# Altium PCB ESC_1.PcbDoc (part 2 of 2)
Units mm, origin at the board's own origin, x right, y up, seen from the top; angles counter-clockwise.
Board outline 99.95 x 98.81 mm, 2 copper layers (Top Layer, Bottom Layer); 164 components, 107 nets, 468 pads, 244 vias.
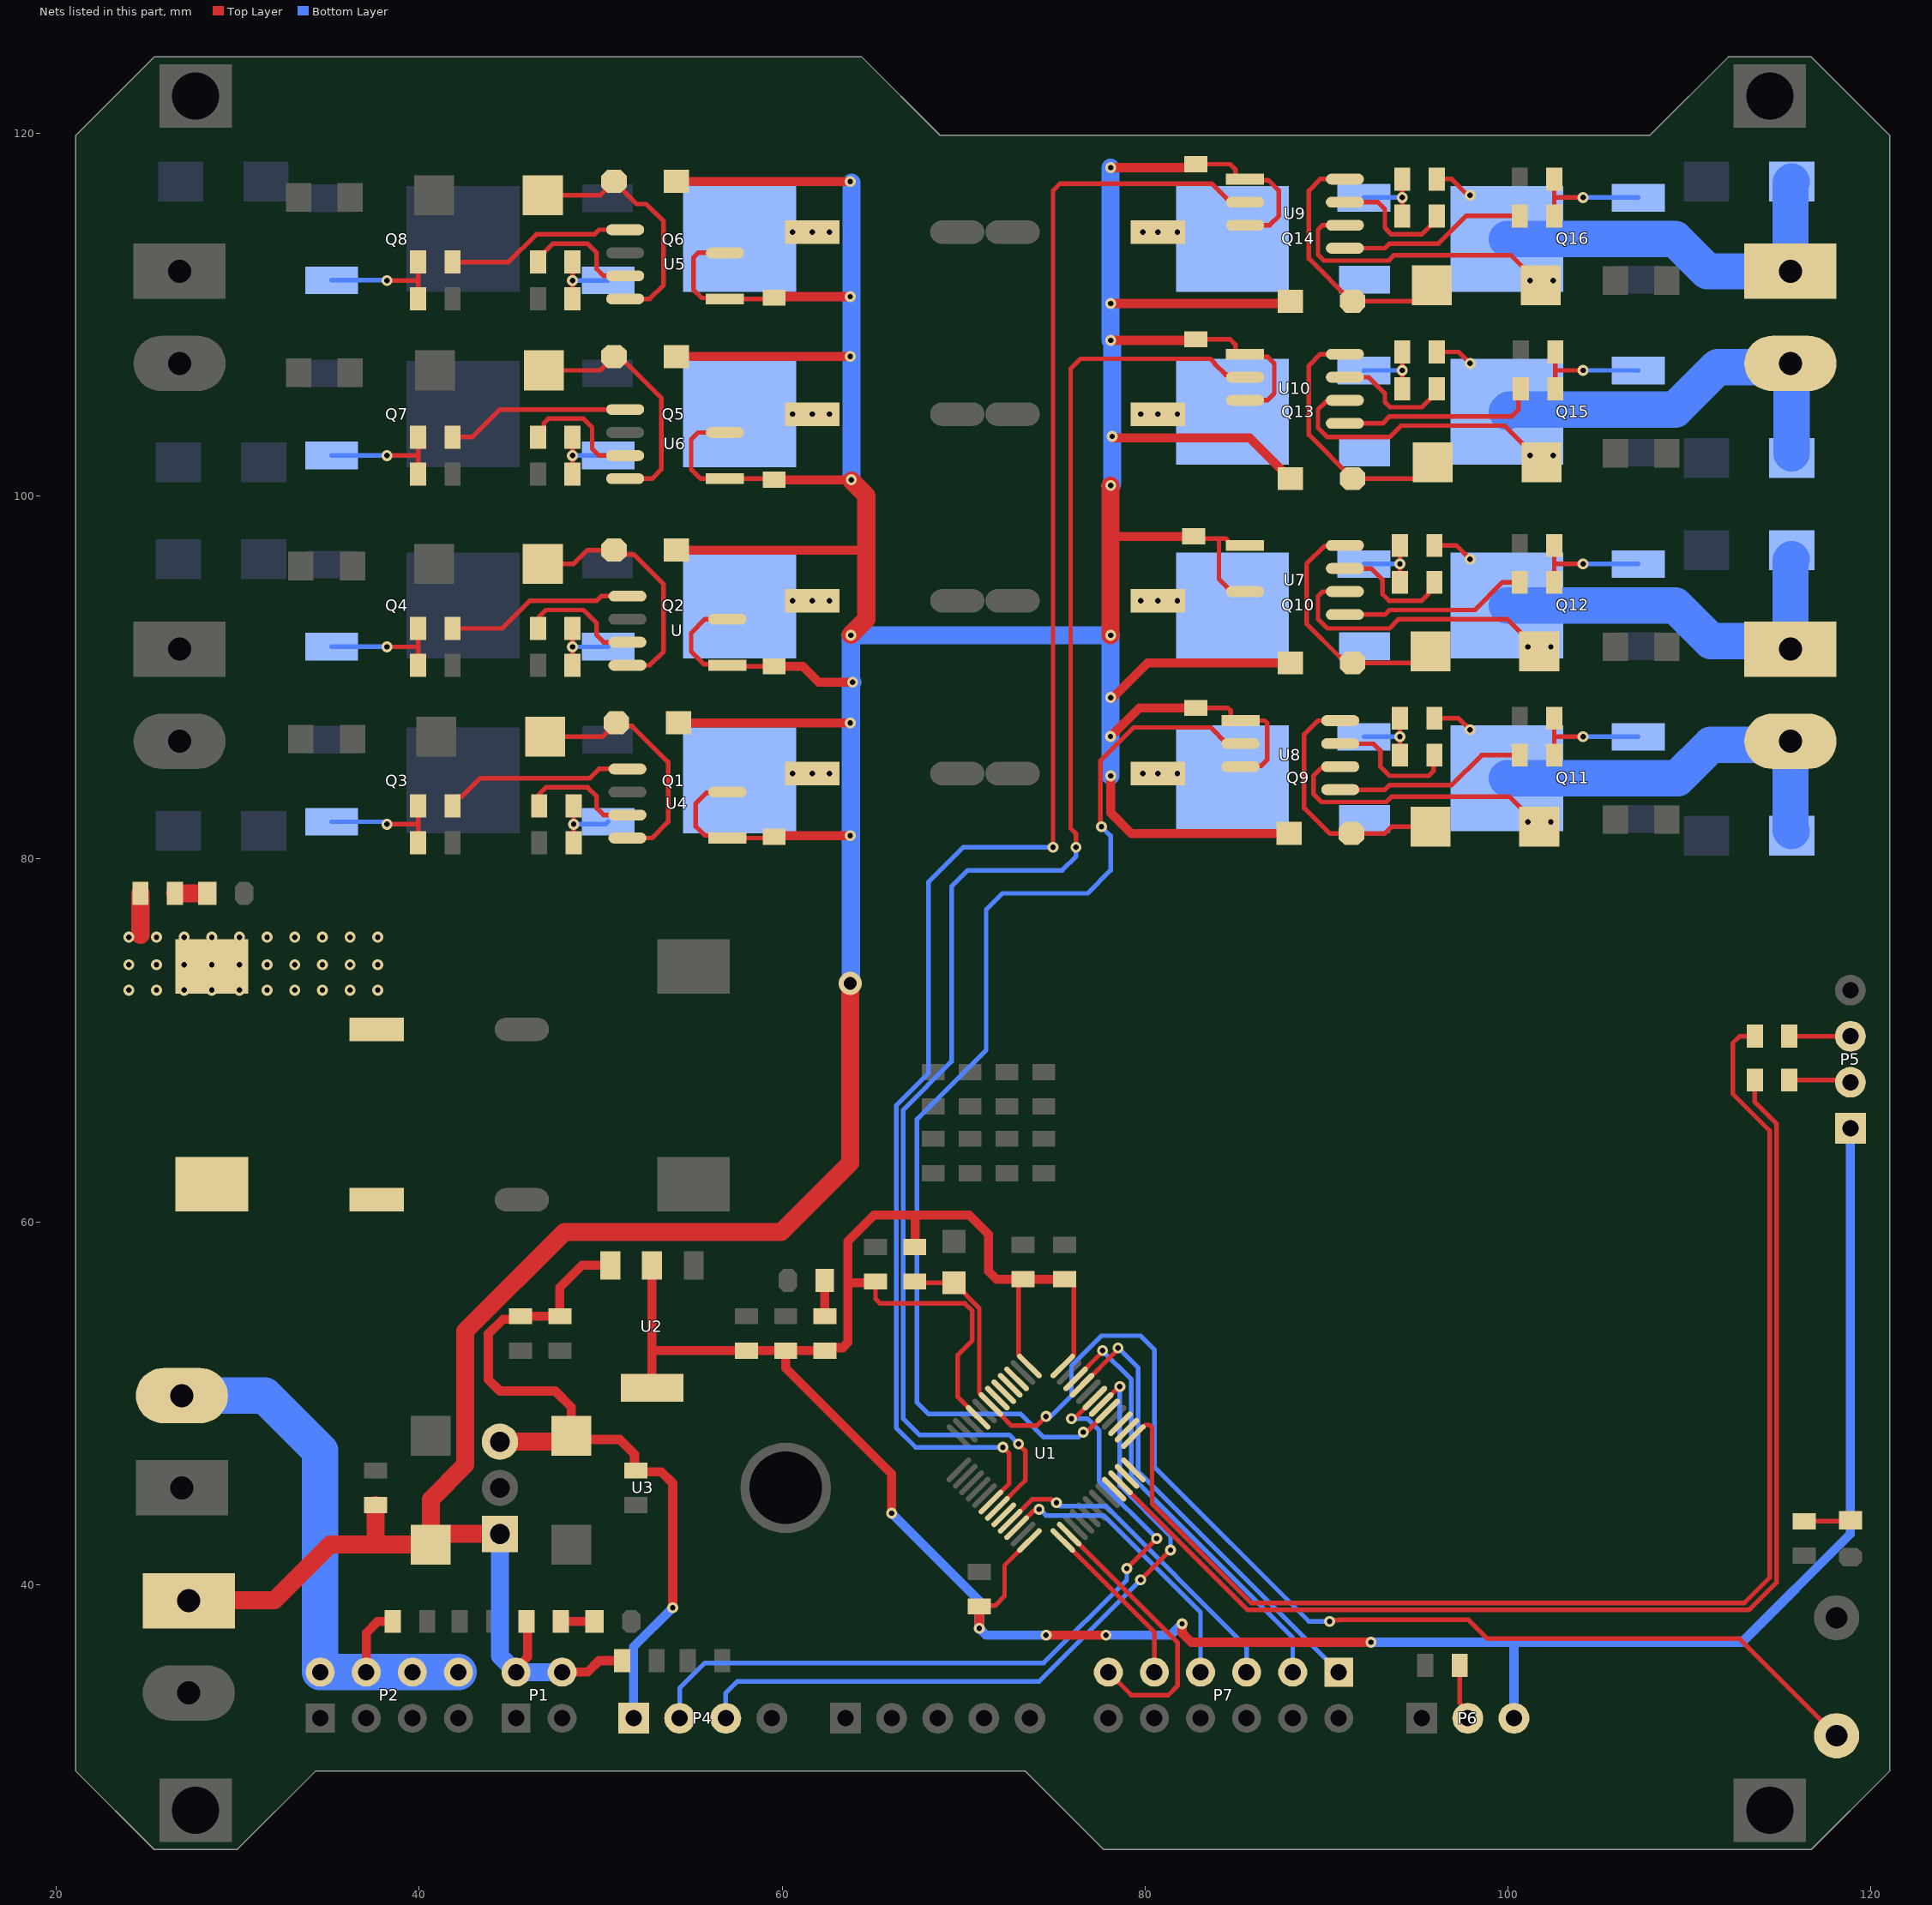
[diagram p2: the nets of this part, all layers, seen from the top]

## Via types
v1: diameter 0.6, hole 0.3, Top Layer to Bottom Layer, tented both sides, 235 vias
v2: diameter 0.6, hole 0.3, Top Layer to Bottom Layer, 8 vias
v3: diameter 1.27, hole 0.711, Top Layer to Bottom Layer, tented both sides, 1 vias

## Nets (pads, with @x,y where several pads share a name; then routed paths per layer and width w, separated by ;. In a path a pad name is that pad's centre, name@x,y a point inside that pad or via, vN(x,y) a via of type N, cw(c..) or ccw(c..) an arc to the next point about the centre after c; other vN are vias at no path point) (continued)
M3_B: U1.41 U8.2 | length 63.5
  Top Layer w0.254: v1(76.592,48.404) 76.658,48.471 76.836,48.471 U1.41@77.943,49.577 ; v1(77.604,81.781) 77.551,81.834 77.551,85.425 79.378,87.252 83.619,87.252 84.511,86.36 U8.2@85.261,86.36
  Bottom Layer w0.254: v1(76.592,48.404) 76.592,48.398 76.327,48.133 74.422,48.133 73.152,49.403 68.072,49.403 67.437,50.038 67.437,65.659 71.247,69.469 71.247,77.216 72.136,78.105 76.835,78.105 78.105,79.375 78.105,81.28 v1(77.604,81.781)
M3_HA: C21.2 D14.2 J3.1 Q10.3 Q12.2 R23.2 U7.6 | length 40.1
  Top Layer w0.254: U7.6@91.015,94.742 89.789,94.742 89.535,94.488 89.535,93.239 90.064,92.71 93.472,92.71 93.98,93.218 99.949,93.218 C21.2@101.727,91.44 ; R23.2@95.946,97.282 97.155,97.282 v2(97.917,96.52)
  Bottom Layer w2: Q12.2@99.94,93.98 109.22,93.98 111.194,92.006 115.131,92.006 J3.1@115.57,91.567 115.57,96.456 D14.2@115.634,96.52
  other v1: 101.092,91.694 102.362,91.694
M3_HB: C22.2 D13.2 J3.2 Q9.3 Q11.2 R24.2 U8.6 | length 39.8
  Top Layer w0.254: U8.6@90.761,85.09 90.695,85.024 89.723,85.024 89.281,84.582 89.281,83.587 89.729,83.139 93.299,83.139 93.599,83.439 100.076,83.439 C22.2@101.727,81.788 ; R24.2@95.946,87.757 97.282,87.757 v2(97.917,87.122)
  Bottom Layer w2: Q11.2@99.94,84.455 109.347,84.455 111.178,86.286 115.369,86.286 J3.2@115.57,86.487 115.57,81.598 D13.2@115.634,81.534
  other v1: 101.092,82.042 102.362,82.042
M4_A: U1.18 U9.2 | length 95.7
  Top Layer w0.254: U1.18@71.508,44.557 72.517,45.566 72.517,47.223 v1(72.165,47.575) ; v1(74.93,80.645) 74.93,116.84 75.314,117.224 83.597,117.224 83.599,117.221 83.693,117.221 84.709,116.205 U9.2@85.515,116.205
  Bottom Layer w0.254: v1(72.165,47.575) 67.36,47.575 66.294,48.641 66.294,66.421 68.072,68.199 68.072,78.74 69.977,80.645 v1(74.93,80.645)
M4_B: U1.19 U10.2 | length 86.5
  Top Layer w0.254: U1.19@71.862,44.203 73.406,45.747 73.406,47.371 v1(73.025,47.752) ; v1(76.2,80.645) 76.2,81.386 75.9,81.686 75.9,107.018 76.454,107.572 83.597,107.572 83.82,107.348 83.82,107.315 84.446,106.689 84.535,106.689 84.671,106.553 U10.2@85.515,106.553
  Bottom Layer w0.254: v1(73.025,47.752) 72.517,48.26 67.564,48.26 66.675,49.149 66.675,66.167 69.342,68.834 69.342,78.486 70.231,79.375 75.438,79.375 76.2,80.137 v1(76.2,80.645)
M4_HA: C25.2 D16.2 J4.1 Q14.3 Q16.2 R33.2 U9.6 | length 39.7
  Top Layer w0.254: U9.6@91.015,114.935 89.789,114.935 89.535,114.681 89.535,113.306 89.857,112.984 93.426,112.984 93.726,113.284 100.155,113.284 C25.2@101.806,111.633 ; R33.2@96.073,117.475 96.901,117.475 97.79,116.586 v2(97.917,116.586)
  Bottom Layer w2: Q16.2@99.94,114.173 109.22,114.173 110.998,112.395 J4.1@115.57,112.395 115.57,117.284 D16.2@115.634,117.348
  other v1: 101.219,111.887 102.489,111.887
M4_HB: C26.2 D15.2 J4.2 Q13.3 Q15.2 R34.2 U10.6 | length 40.2
  Top Layer w0.254: U10.6@91.015,105.283 90.949,105.217 89.977,105.217 89.535,104.775 89.535,103.759 90.043,103.251 93.472,103.251 94.107,103.886 98.806,103.886 99.822,103.886 C26.2@101.854,101.854 ; R34.2@96.073,107.95 97.282,107.95 v2(97.917,107.315)
  Bottom Layer w2: Q15.2@99.94,104.648 100.067,104.775 109.22,104.775 111.559,107.114 115.369,107.114 J4.2@115.57,107.315 115.634,107.251 D15.2@115.634,102.362
  other v1: 101.219,102.235 102.489,102.235
NetC13_1: C13.1 D1.2 U.8 | length 13.8
  Top Layer w0.254: C13.1@46.815,96.266 48.514,96.266 49.276,97.028 D1.2@50.736,97.028 50.978,96.787 51.816,96.787 53.467,95.136 53.467,91.44 52.705,90.678 U.8@51.479,90.678
NetC14_1: C14.1 D2.2 U4.8 | length 13.9
  Top Layer w0.254: C14.1@46.942,86.741 50.102,86.741 D2.2@50.863,87.503 51.038,87.329 51.736,87.329 53.721,85.344 53.721,82.042 52.832,81.153 U4.8@51.479,81.153
NetC17_1: C17.1 D3.2 U5.8 | length 13.8
  Top Layer w0.254: C17.1@46.815,116.586 49.974,116.586 D3.2@50.736,117.348 51.983,116.101 52.511,116.101 53.467,115.145 53.467,111.633 52.705,110.871 U5.8@51.352,110.871
NetC18_1: C18.1 D4.2 U6.8 | length 13.9
  Top Layer w0.254: C18.1@46.863,106.934 49.974,106.934 D4.2@50.736,107.696 51.043,107.696 51.408,107.331 51.419,107.331 53.34,105.41 53.34,101.473 52.832,100.965 U6.8@51.352,100.965
NetC21_1: C21.1 D5.2 U7.8 | length 13.8
  Top Layer w0.254: U7.8@91.015,97.282 90.962,97.229 89.863,97.229 88.9,96.266 88.9,92.964 90.726,91.138 90.8,91.138 91.133,90.805 D5.2@91.44,90.805 95.092,90.805 C21.1@95.727,91.44
NetC22_1: C22.1 D6.2 U8.8 | length 14.4
  Top Layer w0.254: U8.8@90.761,87.63 89.535,87.63 88.773,86.868 88.773,82.804 90.17,81.407 90.752,81.407 91.133,81.026 91.44,81.026 91.821,81.407 93.218,81.407 93.599,81.788 C22.1@95.727,81.788
NetC25_1: C25.1 D7.2 U9.8 | length 14.1
  Top Layer w0.254: U9.8@91.015,117.475 89.662,117.475 89.027,116.84 89.027,113.095 91.378,110.744 D7.2@91.44,110.744 94.917,110.744 C25.1@95.806,111.633
NetC26_1: C26.1 D8.2 U10.8 | length 14.3
  Top Layer w0.254: U10.8@91.015,107.823 89.662,107.823 89.027,107.188 89.027,103.378 D8.2@91.44,100.965 94.965,100.965 C26.1@95.854,101.854
NetC29_1: C29.1 J6.2 L1.1 P2.2 P2.4 P2.6 P2.8 R41.1 | length 32.6
  Top Layer w0.5: P2.4@37.084,35.179 37.084,37.338 37.719,37.973 R41.1@38.547,37.973
  Bottom Layer w2: J6.2@26.924,50.419 31.496,50.419 34.544,47.371 P2.2@34.544,35.179 P2.4@37.084,35.179 P2.6@39.624,35.179 P2.8@42.164,35.179
NetDS1_1: DS1.1 R49.1 | length 1.8
  Top Layer w1: R49.1@26.543,78.105 DS1.1@28.321,78.105
NetDS2_1: DS2.1 R50.1 | length 1.8
  Top Layer w0.5: R50.1@47.813,37.973 DS2.1@49.657,37.973
NetDS3_1: DS3.1 R51.1 | length 2
  Top Layer w0.5: R51.1@62.357,54.798 DS3.1@62.357,56.769
NetDS4_1: DS4.1 R52.1 | length 2.6
  Top Layer w0.254: R52.1@116.332,43.495 118.806,43.495 DS4.1@118.872,43.561
NetP5_2: P5.2 R45.2 | length 3.4
  Top Layer w0.254: R45.2@115.504,67.818 118.745,67.818 P5.2@118.872,67.691
NetP5_3: P5.3 R46.2 | length 3.4
  Top Layer w0.254: R46.2@115.504,70.231 P5.3@118.872,70.231
NetP6_2: P6.2 R47.1 | length 3.1
  Top Layer w0.254: R47.1@97.343,35.56 97.343,33.477 97.79,33.03 P6.2@97.79,32.639
NetQ1_1: Q1.1 R1.2 R4.1 | length 4
  Top Layer w0.254: R4.1@48.514,80.899 v1(48.514,81.915) R1.2@48.514,82.931
  Bottom Layer w0.254: v1(48.514,81.915) 50.277,81.915 Q1.1@50.416,82.053
NetQ2_1: Q2.1 R2.2 R3.1 | length 4
  Top Layer w0.254: R3.1@48.448,90.678 v1(48.448,91.694) R2.2@48.448,92.71
  Bottom Layer w0.254: v1(48.448,91.694) 50.404,91.694 Q2.1@50.416,91.705
NetQ3_1: Q3.1 R5.2 R7.2 | length 6.9
  Top Layer w0.254: v1(38.227,81.915) 39.944,81.915 ; R7.2@39.944,80.899 39.944,81.915 ; R5.2@39.944,82.931 39.944,81.915
  Bottom Layer w0.254: Q3.1@35.176,82.053 37.995,82.053 38.133,81.915 v1(38.227,81.915)
NetQ4_1: Q4.1 R6.2 R10.2 | length 6.6
  Top Layer w0.254: v1@38.481,91.694 39.944,91.694 ; R10.2@39.944,90.678 39.944,91.694 ; R6.2@39.944,92.71 39.944,91.694
  Bottom Layer w0.254: Q4.1@35.176,91.705 38.216,91.705 v1(38.227,91.694)
NetQ5_1: Q5.1 R11.2 R14.1 | length 4
  Top Layer w0.254: R14.1@48.448,101.219 v1(48.448,102.235) R11.2@48.448,103.251
  Bottom Layer w0.254: v1(48.448,102.235) 50.404,102.235 Q5.1@50.416,102.246
NetQ6_1: Q6.1 R12.2 R13.1 | length 4
  Top Layer w0.254: R13.1@48.448,110.871 v1(48.448,111.887) R12.2@48.448,112.903
  Bottom Layer w0.254: v1(48.448,111.887) 50.404,111.887 Q6.1@50.416,111.898
NetQ7_1: Q7.1 R15.2 R17.2 | length 6.8
  Top Layer w0.254: v1(38.227,102.235) 39.944,102.235 ; R17.2@39.944,101.219 39.944,102.235 ; R15.2@39.944,103.251 39.944,102.235
  Bottom Layer w0.254: Q7.1@35.176,102.246 38.216,102.246 v1(38.227,102.235)
NetQ8_1: Q8.1 R16.2 R20.2 | length 6.8
  Top Layer w0.254: v1(38.227,111.887) 39.944,111.887 ; R20.2@39.944,110.871 39.944,111.887 ; R16.2@39.944,112.903 39.944,111.887
  Bottom Layer w0.254: Q8.1@35.176,111.898 38.216,111.898 v1(38.227,111.887)
NetQ9_1: Q9.1 R21.2 R24.1 | length 4
  Top Layer w0.254: R21.2@94.046,85.725 v1(94.046,86.741) R24.1@94.046,87.757
  Bottom Layer w0.254: Q9.1@92.069,86.73 92.081,86.741 v1(94.046,86.741)
NetQ10_1: Q10.1 R22.2 R23.1 | length 4
  Top Layer w0.254: R22.2@94.046,95.25 v1(94.046,96.266) R23.1@94.046,97.282
  Bottom Layer w0.254: Q10.1@92.069,96.255 92.081,96.266 v1(94.046,96.266)
NetQ11_1: Q11.1 R25.2 R27.2 | length 6.7
  Top Layer w0.254: R25.2@102.55,85.725 102.55,86.741 ; R27.2@102.55,87.757 102.55,86.741 ; v1(104.14,86.741) 102.55,86.741
  Bottom Layer w0.254: v1(104.14,86.741) 107.171,86.741 Q11.1@107.182,86.73
NetQ12_1: Q12.1 R26.2 R30.2 | length 6.7
  Top Layer w0.254: R26.2@102.55,95.25 102.55,96.266 ; R30.2@102.55,97.282 102.55,96.266 ; v1(104.14,96.266) 102.55,96.266
  Bottom Layer w0.254: v1(104.14,96.266) 107.171,96.266 Q12.1@107.182,96.255
NetQ13_1: Q13.1 R31.2 R34.1 | length 4.1
  Top Layer w0.254: R31.2@94.173,105.918 v1(94.173,106.934) R34.1@94.173,107.95
  Bottom Layer w0.254: Q13.1@92.069,106.923 92.081,106.934 v1(94.173,106.934)
NetQ14_1: Q14.1 R32.2 R33.1 | length 4.1
  Top Layer w0.254: R32.2@94.173,115.443 v1(94.173,116.459) R33.1@94.173,117.475
  Bottom Layer w0.254: Q14.1@92.069,116.448 92.081,116.459 v1(94.173,116.459)
NetQ15_1: Q15.1 R35.2 R37.2 | length 6.6
  Top Layer w0.254: R35.2@102.616,105.918 102.616,106.934 ; R37.2@102.616,107.95 102.616,106.934 ; v1(104.14,106.934) 102.616,106.934
  Bottom Layer w0.254: v1(104.14,106.934) 107.171,106.934 Q15.1@107.182,106.923
NetQ16_1: Q16.1 R36.2 R40.2 | length 6.7
  Top Layer w0.254: R36.2@102.55,115.443 102.55,116.459 ; R40.2@102.55,117.475 102.55,116.459 ; v1(104.14,116.459) 102.55,116.459
  Bottom Layer w0.254: v1(104.14,116.459) 107.171,116.459 Q16.1@107.182,116.448
NetR1_1: R1.1 U4.7 | length 6.7
  Top Layer w0.254: R1.1@46.614,82.931 46.609,82.936 46.609,83.566 46.99,83.947 49.276,83.947 49.784,83.439 49.784,82.804 50.165,82.423 U4.7@51.479,82.423
NetR2_1: R2.1 U.7 | length 6.8
  Top Layer w0.254: R2.1@46.548,92.71 46.609,92.771 46.609,93.345 46.99,93.726 48.895,93.726 49.05,93.726 49.784,92.992 49.784,92.329 50.165,91.948 U.7@51.479,91.948
NetR5_1: R5.1 U4.5 | length 10.6
  Top Layer w0.254: R5.1@41.844,82.931 41.844,83.122 42.162,83.439 42.352,83.439 43.368,84.455 49.403,84.455 49.911,84.963 U4.5@51.479,84.963
NetR6_1: R6.1 U.5 | length 10.4
  Top Layer w0.254: R6.1@41.844,92.71 44.577,92.71 46.101,94.234 49.784,94.234 50.038,94.488 U.5@51.479,94.488
NetR11_1: R11.1 U6.7 | length 7
  Top Layer w0.254: R11.1@46.548,103.251 46.865,103.568 46.865,104.015 47.117,104.267 48.768,104.267 49.05,104.267 49.53,103.787 49.53,102.616 49.911,102.235 U6.7@51.352,102.235
NetR12_1: R12.1 U5.7 | length 6.6
  Top Layer w0.254: R12.1@46.548,112.903 46.548,113.093 47.373,113.919 49.276,113.919 49.784,113.411 49.784,112.522 50.165,112.141 U5.7@51.352,112.141
NetR15_1: R15.1 U6.5 | length 10.1
  Top Layer w0.254: R15.1@41.844,103.251 42.926,103.251 44.45,104.775 U6.5@51.352,104.775
NetR16_1: R16.1 U5.5 | length 10.2
  Top Layer w0.254: R16.1@41.844,112.903 44.93,112.903 46.454,114.427 49.657,114.427 49.911,114.681 U5.5@51.352,114.681
NetR21_1: R21.1 U8.7 | length 7.4
  Top Layer w0.254: U8.7@90.761,86.36 90.77,86.351 92.592,86.351 92.964,85.979 92.964,85.09 93.472,84.582 95.631,84.582 95.907,84.858 95.907,85.686 R21.1@95.946,85.725
NetR22_1: R22.1 U7.7 | length 6.7
  Top Layer w0.254: U7.7@91.015,96.012 92.456,96.012 93.091,95.377 93.091,94.587 93.444,94.234 93.726,94.234 95.25,94.234 95.629,94.613 95.629,94.933 R22.1@95.946,95.25
NetR25_1: R25.1 U8.5 | length 10.7
  Top Layer w0.254: U8.5@90.761,83.82 93.218,83.82 93.472,84.074 96.901,84.074 98.552,85.725 R25.1@100.65,85.725
NetR26_1: R26.1 U7.5 | length 10.4
  Top Layer w0.254: U7.5@91.015,93.472 93.218,93.472 93.472,93.726 98.171,93.726 99.695,95.25 R26.1@100.65,95.25
NetR31_1: R31.1 U10.7 | length 6.6
  Top Layer w0.254: U10.7@91.015,106.553 92.329,106.553 93.218,105.664 93.218,105.178 93.494,104.902 95.248,104.902 96.073,105.728 R31.1@96.073,105.918
NetR32_1: R32.1 U9.7 | length 6.9
  Top Layer w0.254: U9.7@91.015,116.205 92.837,116.205 93.218,115.824 93.218,114.808 93.348,114.678 93.348,114.65 93.571,114.427 95.248,114.427 96.073,115.253 R32.1@96.073,115.443
NetR35_1: R35.1 U10.5 | length 11.1
  Top Layer w0.254: U10.5@91.015,104.013 93.091,104.013 93.472,104.394 100.203,104.394 100.584,104.775 100.584,105.786 R35.1@100.716,105.918
NetR36_1: R36.1 U9.5 | length 10.4
  Top Layer w0.254: U9.5@91.015,113.665 93.218,113.665 93.472,113.919 96.167,113.919 97.691,115.443 R36.1@100.65,115.443
NRST: C39.2 R48.2 S1.1 U1.7 | length 72.9
  Top Layer w0.254: R48.2@67.31,56.708 67.376,56.642 C39.2@69.469,56.642 70.866,55.245 70.866,50.586 71.508,49.943 71.508,49.919 72.062,49.365 72.062,49.35 72.644,48.768 74.041,48.768 v1(74.549,49.276) ; v1(90.17,37.973) 90.236,38.039 90.681,38.039 90.703,38.061 97.829,38.061 98.87,37.02 112.764,37.02 S1.1@118.11,31.675
  Bottom Layer w0.254: v1(74.549,49.276) 74.803,49.276 75.946,50.419 75.946,52.07 77.597,53.721 79.756,53.721 80.518,52.959 80.518,46.482 89.027,37.973 v1(90.17,37.973)
PA12: U1.33
PA13: R45.1 U1.34 | length 67.9
  Top Layer w0.254: U1.34@78.65,45.618 85.66,38.608 113.284,38.608 114.808,40.132 114.808,65.405 113.604,66.609 R45.1@113.604,67.818
PA14: R46.1 U1.37 | length 74.1
  Top Layer w0.254: U1.37@79.357,48.163 79.37,48.163 80.012,48.805 80.242,48.805 80.391,48.656 80.391,44.45 85.852,38.989 113.03,38.989 114.427,40.386 114.427,65.024 112.395,67.056 112.395,69.85 112.776,70.231 R46.1@113.604,70.231
PA15: U1.38
PB2: U1.20
PB3: U1.39
PB6: P4.3 U1.42 | length 40.8
  Top Layer w0.254: U1.42@77.602,49.931 U1.42@77.59,49.931 78.586,50.927 v1(78.613,50.927) ; v1(79.756,40.259) v1(81.407,41.91)
  Bottom Layer w0.254: P4.3@56.896,32.639 56.896,34.036 57.531,34.671 74.168,34.671 v1(79.756,40.259) ; v1(78.613,50.927) 78.613,45.466 81.407,42.672 v1(81.407,41.91)
PB7: P4.2 U1.43 | length 42.6
  Top Layer w0.254: v1(75.946,49.149) 76.012,49.215 76.167,49.215 U1.43@77.236,50.285 ; v1(78.994,40.894) v1(80.645,42.545)
  Bottom Layer w0.254: P4.2@54.356,32.639 54.356,34.29 55.753,35.687 74.422,35.687 78.994,40.259 v1(78.994,40.894) ; v1(75.946,49.149) 76.835,49.149 77.47,48.514 77.47,45.72 v1(80.645,42.545)
PB8: P7.1 U1.45 | length 25.8
  Top Layer w0.254: U1.45@76.529,50.992 78.516,52.979 v1(78.516,53.056)
  Bottom Layer w0.254: v1(78.516,53.056) 79.629,51.943 79.629,46.228 90.005,35.852 P7.1@90.678,35.179
PB9: P7.3 U1.46 | length 24.2
  Top Layer w0.254: U1.46@76.175,51.345 76.175,51.358 77.655,52.837 v1(77.655,52.901)
  Bottom Layer w0.254: v1(77.655,52.901) 79.248,51.308 79.248,45.974 88.138,37.084 P7.3@88.138,35.179
PB10: P7.5 U1.21 | length 18.3
  Top Layer w0.254: U1.21@72.569,43.496 73.777,44.704 74.836,44.704 75.027,44.514 v1(75.12,44.514)
  Bottom Layer w0.254: v1(75.12,44.514) 75.311,44.323 77.851,44.323 85.598,36.576 P7.5@85.598,35.179
PB11: P7.7 U1.22 | length 16.2
  Top Layer w0.254: U1.22@72.923,43.143 73.864,44.084 74.102,44.084 v1(74.168,44.15)
  Bottom Layer w0.254: v1(74.168,44.15) 74.214,44.15 74.549,43.815 77.724,43.815 83.058,38.481 P7.7@83.058,35.179
PB12: P7.9 U1.25 | length 9.3
  Top Layer w0.254: U1.25@75.468,42.436 80.518,37.386 P7.9@80.518,35.179
PB13: P7.11 U1.26 | length 15.4
  Top Layer w0.254: U1.26@75.822,42.789 75.829,42.789 81.788,36.83 81.788,34.417 81.28,33.909 79.248,33.909 P7.11@77.978,35.179
PC14: U1.3
PC15: U1.4
PF0: U1.5
PF1: U1.6
PF6: U1.35
PF7: U1.36
VCC_3V3: C7.1 C8.1 C9.1 C10.1 C11.1 C12.1 P5.1 P6.3 R48.1 R51.2 U1.1 U1.9 U1.24 U1.48 U2.2 U2.4 | length 169.7
  Top Layer w0.254: C12.1@65.151,56.708 65.151,55.753 65.405,55.499 70.073,55.499 70.485,55.087 70.485,53.467 69.677,52.659 69.677,50.353 70.801,49.229 U1.9@70.801,49.224 ; C11.1@70.866,38.801 70.905,38.84 71.733,38.84 72.263,39.37 72.263,41.069 U1.24@73.63,42.436 ; C9.1@73.279,56.835 73.025,56.581 73.025,52.67 73.63,52.065 U1.1@73.63,52.052 ; U1.48@75.468,52.052 75.468,52.065 76.073,52.67 76.073,56.517 75.755,56.835 C10.1@75.565,56.835
  Top Layer w0.5: U2.4@52.832,50.854 52.832,52.832 ; U2.2@52.832,57.604 52.832,52.832 ; C8.1@60.389,52.898 62.166,52.898 62.329,53.061 63.334,53.061 63.627,53.354 63.627,56.642 ; C12.1@65.151,56.708 65.085,56.642 63.627,56.642 ; v1(66.04,43.942) 66.04,46.101 60.198,51.943 C8.1@60.198,52.898 C7.1@58.039,52.898 52.898,52.898 52.832,52.832 ; R48.1@67.31,58.608 67.344,58.642 67.344,60.37 ; v1(70.866,37.592) C11.1@70.866,38.801 ; v1(74.549,37.211) v1(77.851,37.211) ; C10.1@75.565,56.835 C9.1@73.279,56.835 71.816,56.835 71.374,57.277 71.374,59.309 70.313,60.37 67.344,60.37 ; v1(82.042,37.846) 82.042,37.338 82.55,36.83 v1(92.456,36.83) ; 63.627,56.642 63.627,58.928 65.069,60.37 67.344,60.37
  Bottom Layer w0.5: v1(66.04,43.942) 70.866,39.116 v1(70.866,37.592) 71.247,37.211 v1(74.549,37.211) ; v1(77.851,37.211) 81.407,37.211 v1(82.042,37.846) ; v1(92.456,36.83) 112.903,36.83 118.872,42.799 P5.1@118.872,65.151 ; P6.3@100.33,32.639 100.33,36.83
VCC_5V: C2.1 C4.1 C5.1 C6.1 P4.1 U2.3 U3.3 | length 43.7
  Top Layer w0.5: C2.1@48.054,47.879 48.181,48.006 51.054,48.006 51.869,47.191 51.869,46.363 C4.1@51.943,46.289 52.004,46.228 53.34,46.228 53.975,45.593 v1(53.975,38.735) ; C2.1@48.387,48.212 48.387,49.784 47.498,50.673 44.45,50.673 43.815,51.308 43.815,53.825 44.62,54.63 45.425,54.63 C5.1@45.593,54.798 C6.1@47.752,54.798 47.752,56.388 48.968,57.604 U2.3@50.532,57.604
  Top Layer w1: U3.3@44.45,47.879 C2.1@48.054,47.879 ; C2.1@48.181,48.006 C2.1@48.387,48.212
  Bottom Layer w0.5: P4.1@51.816,32.639 51.816,36.576 v1(53.975,38.735)
VCC_12V: C1.1 C3.1 C15.1 C16.1 C19.1 C20.1 C23.1 C24.1 C27.1 C28.1 D1.1 D2.1 D3.1 D4.1 D5.1 D6.1 D7.1 D8.1 J5.1 P1.2 P1.4 R42.1 R50.2 U3.1 U4.1 U4.3 U5.1 U5.3 U6.1 U6.3 U7.1 U7.3 U8.1 U8.3 U9.1 U9.3 U10.1 U10.3 U.1 U.3 | length 363.8
  Top Layer w0.254: U6.3@56.852,103.505 55.372,103.505 54.991,103.124 54.991,101.473 55.499,100.965 U6.1@56.852,100.965 59.502,100.965 C20.1@59.563,100.904 ; U5.3@56.852,113.411 55.372,113.411 55.118,113.157 55.118,111.379 55.57,110.927 56.796,110.927 U5.1@56.852,110.871 59.497,110.871 C19.1@59.563,110.937 ; U4.3@56.979,83.693 56.926,83.64 55.827,83.64 55.245,83.058 55.245,81.788 55.739,81.294 56.838,81.294 U4.1@56.979,81.153 59.497,81.153 C16.1@59.624,81.026 ; U.3@56.979,93.218 55.753,93.218 54.991,92.456 54.991,91.44 55.697,90.734 56.923,90.734 U.1@56.979,90.678 57.04,90.617 C15.1@59.563,90.617 ; C23.1@82.677,97.785 82.799,97.663 84.074,97.663 ; C24.1@82.804,88.326 84.565,88.326 84.729,88.162 84.729,87.803 84.902,87.63 U8.1@85.261,87.63 86.592,87.63 86.741,87.481 86.741,85.471 86.413,85.143 85.314,85.143 U8.3@85.261,85.09 ; C28.1@82.804,108.646 84.692,108.646 84.983,108.355 84.983,107.996 85.156,107.823 U10.1@85.515,107.823 85.656,107.682 86.755,107.682 87.122,107.315 87.122,105.664 86.741,105.283 U10.3@85.515,105.283 ; C27.1@82.804,118.298 84.692,118.298 84.983,118.007 84.983,117.648 85.212,117.419 86.797,117.419 87.376,116.84 87.376,115.443 86.868,114.935 U9.3@85.515,114.935 ; U7.3@85.515,94.742 84.765,94.742 84.074,95.433 84.074,97.663 ; U7.1@85.515,97.282 84.765,97.282 84.592,97.455 84.592,97.514 84.443,97.663 84.074,97.663
  Top Layer w0.5: P1.2@45.339,35.179 45.339,35.387 45.974,36.022 45.974,37.912 R50.2@45.913,37.973 ; P1.4@47.879,35.179 49.276,35.179 49.911,35.814 R42.1@51.186,35.814 ; D1.1@54.165,97.028 64.643,97.028 ; D4.1@54.165,107.696 v1(63.754,107.696) ; D3.1@54.165,117.348 v1(63.754,117.348) ; D2.1@54.292,87.503 v1(63.754,87.503) ; C16.1@59.563,81.219 59.624,81.28 v1(63.754,81.28) ; C15.1@59.563,90.617 61.148,90.617 62.022,89.743 v1(63.881,89.743) ; C20.1@59.563,100.904 v1(63.82,100.904) ; C19.1@59.563,110.937 59.624,110.998 v1(63.754,110.998) ; v1(78.094,86.752) 78.116,86.752 79.69,88.326 C24.1@82.804,88.326 ; v1(78.105,84.582) 78.105,82.55 79.248,81.407 D6.1@87.947,81.407 ; v1(78.105,88.9) 78.232,88.9 80.137,90.805 D5.1@88.011,90.805 ; 78.105,97.79 78.11,97.785 C23.1@82.677,97.785 ; v1(78.105,108.585) 82.743,108.585 C28.1@82.804,108.646 ; v1(78.105,110.617) 87.884,110.617 D7.1@88.011,110.744 ; v1(78.105,118.11) 82.616,118.11 C27.1@82.804,118.298 ; v1(78.19,103.294) 78.274,103.209 85.767,103.209 87.562,101.414 87.562,101.35 87.947,100.965 D8.1@88.011,100.965
  Top Layer w1: J5.1@27.305,39.116 27.33,39.141 32.029,39.141 35.1,42.212 37.426,42.212 ; C3.1@37.592,44.389 37.592,42.379 37.426,42.212 ; U3.1@44.45,42.799 41.24,42.799 41.021,42.58 41.021,42.212 C1.1@40.64,42.212 ; v3(63.754,73.152) 63.754,63.246 59.944,59.436 48.006,59.436 42.545,53.975 42.545,46.609 40.64,44.704 C1.1@40.64,42.212 ; v1@63.792,92.367 64.643,93.218 64.643,97.028 64.643,100.025 v1@63.82,100.848 ; v1(78.105,92.329) 78.105,97.79 v1(78.105,100.584) ; 37.426,42.212 C1.1@40.64,42.212
  Bottom Layer w1: U3.1@44.45,42.799 44.45,36.068 P1.2@45.339,35.179 P1.4@47.879,35.179 ; v3@63.792,73.152 63.792,89.654 v1(63.881,89.743) ; v1@63.792,89.743 v1(63.792,92.329) v1(78.105,92.329) v1(78.105,88.9) v1@78.105,86.752 ; v1(63.82,100.904) v1@63.82,117.282 ; v1(78.094,86.752) v1@78.105,86.752 ; v1(78.105,84.582) v1@78.105,86.752 ; v1(78.105,100.584) 78.19,100.669 v1(78.19,103.294) 78.19,108.5 v1(78.105,108.585) v1(78.105,110.617) v1(78.105,118.11)
VCC_M: C30.1 C31.1 C32.1 C33.1 C34.1 C35.1 C36.1 C37.1 C38.1 L1.2 Q1.2 Q2.2 Q5.2 Q6.2 Q9.2 Q10.2 Q13.2 Q14.2 R49.2 | length 2.3
  Top Layer w1: 24.638,75.819 24.638,78.1 R49.2@24.643,78.105
  other v1: 24.003,72.771 25.527,72.771 27.051,72.771 28.575,72.771 30.099,72.771 31.623,72.771 33.147,72.771 34.671,72.771 36.195,72.771 37.719,72.771 24.003,74.168 25.527,74.168 27.051,74.168 28.575,74.168 30.099,74.168 31.623,74.168 33.147,74.168 34.671,74.168 36.195,74.168 37.719,74.168 24.003,75.692 25.527,75.692 27.051,75.692 28.575,75.692 30.099,75.692 31.623,75.692 33.147,75.692 34.671,75.692 36.195,75.692 37.719,75.692 60.579,84.709 61.659,84.709 62.611,84.709 79.883,84.709 80.708,84.709 81.787,84.709 60.579,94.234 61.659,94.234 62.611,94.234 79.756,94.234 80.708,94.234 81.787,94.234 60.579,104.521 61.659,104.521 62.611,104.521 79.756,104.521 80.708,104.521 81.787,104.521 60.579,114.554 61.659,114.554 62.611,114.554 79.883,114.554 80.708,114.554 81.787,114.554
pads on no net: U3.0

## Polygon pours and split planes (outlines as drawn)
GND_M on Top Layer "GND_M_L01_P032" (solid, pour order 32): 48.641,75.565 57.15,75.565 57.15,72.517 48.641,72.517
GND_M on Top Layer "GND_M_L01_P031" (solid, pour order 31): 31.623,79.883 110.617,79.883 110.617,76.581 31.623,76.581
GND_M on Top Layer "GND_M_L01_P027" (solid, pour order 27): 110.617,118.491 110.617,79.629 107.95,79.629 107.95,118.491
FB3 on Top Layer "FB3_L01_P025" (solid, pour order 25): 105.029,92.71 105.029,81.28 107.188,81.28 107.188,92.71
FB4 on Top Layer "FB4_L01_P024" (solid, pour order 24): 107.188,112.776 107.188,101.473 105.029,101.473 105.029,112.776
FB1 on Top Layer "FB1_L01_P023" (solid, pour order 23): 35.179,97.155 35.179,85.725 37.465,85.725 37.465,97.155
FB2 on Top Layer "FB2_L01_P022" (solid, pour order 22): 35.179,117.475 35.179,105.918 37.211,105.918 37.211,117.475
GND_M on Top Layer "GND_M_L01_P021" (solid, pour order 21): 34.29,118.491 34.29,79.248 31.623,79.248 31.623,118.491
GND_M on Top Layer "GND_M_L01_P009" (solid, pour order 9): 67.945,118.872 67.945,79.375 74.422,79.375 74.422,118.872
GND_M on Top Layer "GND_M_L01_P008" (solid, pour order 8): 24.13,46.99 28.575,46.99 43.815,62.23 43.815,76.835 48.768,76.835 48.768,61.468 30.988,43.688 24.13,43.688
NetC29_1 on Top Layer "NETC29_1_L01_P007" (solid, pour order 7): 24.13,48.895 29.21,48.895 39.37,59.055 39.37,63.627 24.13,63.627
no net on Top Layer "NONET_L01_P005" (solid, pour order 5): 23.495,46.99
no net on Top Layer "NONET_L01_P004" (solid, pour order 4): 23.495,46.99
no net on Top Layer "NONET_L01_P003" (solid, pour order 3): 23.495,46.99
VCC_M on Top Layer "VCC_M_L01_P002" (solid, pour order 2): 23.495,76.2 23.495,69.85 39.37,69.85 39.37,76.2
no net on Top Layer "NONET_L01_P000" (solid, pour order 0): 23.622,64.262 23.622,48.895
VCC_M on Bottom Layer "VCC_M_L02_P010" (solid, pour order 10): 54.356,118.872 62.992,118.872 62.992,79.502 54.356,79.502
VCC_M on Bottom Layer "VCC_M_L02_P011" (solid, pour order 11): 79.375,118.872 88.138,118.872 88.138,79.502 79.375,79.502
M2_HA on Bottom Layer "M2_HA_L02_P012" (solid, pour order 12): 51.816,117.221 39.243,117.221 39.243,111.125 45.593,111.125 49.403,114.935 51.816,114.935
M2_HB on Bottom Layer "M2_HB_L02_P013" (solid, pour order 13): 51.816,107.569 39.243,107.569 39.243,101.473 45.593,101.473 49.403,105.283 51.816,105.283
M1_HA on Bottom Layer "M1_HA_L02_P014" (solid, pour order 14): 51.816,97.028 39.243,97.028 39.243,90.932 45.593,90.932 49.403,94.742 51.816,94.742
M1_HB on Bottom Layer "M1_HB_L02_P015" (solid, pour order 15): 51.816,87.376 39.243,87.376 39.243,81.28 45.593,81.28 49.403,85.09 51.816,85.09
M4_HA on Bottom Layer "M4_HA_L02_P016" (solid, pour order 16): 90.551,111.125 103.124,111.125 103.124,117.221 96.774,117.221 92.964,113.411 90.551,113.411
M4_HB on Bottom Layer "M4_HB_L02_P017" (solid, pour order 17): 90.678,101.6 103.251,101.6 103.251,107.696 96.901,107.696 93.091,103.886 90.678,103.886
M3_HA on Bottom Layer "M3_HA_L02_P018" (solid, pour order 18): 90.551,90.932 103.124,90.932 103.124,97.028 96.774,97.028 92.964,93.218 90.551,93.218
M3_HB on Bottom Layer "M3_HB_L02_P019" (solid, pour order 19): 90.551,81.407 103.124,81.407 103.124,87.503 96.774,87.503 92.964,83.693 90.551,83.693
VCC_M on Bottom Layer "VCC_M_L02_P030" (solid, pour order 30): 54.356,79.629 62.992,79.629 55.372,72.009 23.495,72.009 23.495,76.2 23.495,76.251 50.906,76.263
VCC_M on Bottom Layer "VCC_M_L02_P034" (solid, pour order 34): 62.484,99.822 79.629,99.822 79.629,93.218 62.484,93.218
GND on Bottom Layer "GND_L02_P035" (solid, remove dead copper, pour order 35): 60.031,71.247 67.437,71.247 83.693,54.991 83.693,30.226 43.942,30.226 43.942,55.467
no net on Bottom Layer "NONET_L02_P029" (solid, pour order 29): 54.356,79.502
no net on Bottom Solder "NONET_L01_P-001" (solid): 96.774,81.407 90.551,81.407 90.551,83.693 92.964,83.693 96.774,87.503
no net on Bottom Solder "NONET_L01_P-001" (solid): 96.774,90.932 90.551,90.932 90.551,93.218 92.964,93.218 96.774,97.028
no net on Bottom Solder "NONET_L01_P-001" (solid): 96.901,101.6 90.678,101.6 90.678,103.886 93.091,103.886 96.901,107.696
no net on Bottom Solder "NONET_L01_P-001" (solid): 96.774,111.125 90.551,111.125 90.551,113.411 92.964,113.411 96.774,117.221
no net on Bottom Solder "NONET_L01_P-001" (solid): 45.593,87.376 51.816,87.376 51.816,85.09 49.403,85.09 45.593,81.28
no net on Bottom Solder "NONET_L01_P-001" (solid): 45.593,117.221 51.816,117.221 51.816,114.935 49.403,114.935 45.593,111.125
no net on Bottom Solder "NONET_L01_P-001" (solid): 45.593,97.028 51.816,97.028 51.816,94.742 49.403,94.742 45.593,90.932
no net on Bottom Solder "NONET_L01_P-001" (solid): 45.593,107.569 51.816,107.569 51.816,105.283 49.403,105.283 45.593,101.473
no net on Bottom Solder "NONET_L01_P-001" (solid): 23.495,76.261 23.495,72.009 55.372,72.009 62.992,79.629 62.992,93.218 79.375,93.218 79.375,79.502 88.138,79.502 88.138,118.872 79.375,118.872 79.375,99.822 62.992,99.822 62.992,118.872 54.356,118.872 54.356,79.629 50.901,76.261

## Keep-outs
Keep-Out Layer:
  the board outline again, w0.5

## Other copper
Top Layer:
  text "未来道具研究所" at 62.506,123.773 h3.81 r180
  text "直流有刷电机调速器" at 77.851,25.781 h3.81
Bottom Layer:
  text "BY:ZhangDong" at 34.036,122.809 h4 r180
  text "El Psy Congroo" at 110.744,26.67 h4

## Silkscreen, mask and mechanical layers (free items; w line width, h text height)
Top Overlay:
  lines w0.5: 22.098,76.327 44.45,76.327 ; 31.242,79.375 31.242,117.221 ; 34.798,117.221 34.798,79.883 69.469,79.883 ; 48.006,76.327 109.982,76.327 110.871,77.216 110.871,117.348 ; 73.025,79.883 107.315,79.883 107.315,117.348
  text "M2" at 25.146,102.108 h2
  text "M4" at 114.046,101.854 h2
  text "M1" at 25.146,81.661 h2
  text "M3" at 114.046,81.407 h2
  text "G" at 115.189,72.263 h2
  text "C" at 116.459,69.723 h2
  text "I" at 116.84,67.31 h2
  text "V" at 115.316,64.389 h2
  text "SWD" at 115.697,61.849 h2
  text "+VM" at 33.02,50.038 h2
  text "G" at 33.147,44.831 h2
  text "+12" at 32.766,38.354 h2
  text "R" at 53.848,37.211 h2
  text "T" at 56.388,37.211 h2
  text "B13" at 78.359,36.957 h2 r90
  text "B12" at 81.026,36.957 h2 r90
  text "B11" at 83.566,36.957 h2 r90
  text "B10" at 85.979,36.957 h2 r90
  text "B9" at 88.646,36.957 h2 r90
  text "B8" at 91.186,36.957 h2 r90
  text "RST" at 111.506,33.655 h2
  text "1" at 102.235,32.131 h2
  text "VM" at 37.084,30.099 h2
  text "12" at 45.593,30.099 h2
  text "UART" at 53.213,30.099 h2
  text "ICD" at 66.548,30.099 h2
  text "USERIO" at 80.645,30.099 h2
  text "BOOT" at 95.377,30.099 h2
Bottom Overlay:
  lines w0.254: 33.274,31.369 43.434,31.369 ; 44.069,31.369 49.149,31.369
  lines w0.5: 23.241,71.755 55.499,71.755 63.246,79.502 63.246,92.964 79.121,92.964 79.121,79.248 88.392,79.248 88.392,119.126 79.121,119.126 79.121,100.076 63.246,100.076 63.246,119.126 54.229,119.126 54.102,119.126 54.102,79.756 50.8,76.454 23.241,76.454 23.241,76.073 23.241,71.755
  text "M4" at 120.015,110.744 h2 r90
  text "M2" at 22.098,108.585 h2 r270
  text "M3" at 120.142,90.17 h2 r90
  text "M1" at 21.971,87.63 h2 r270
  text "G C IO V" at 116.459,73.152 h2 r90
  text "+VM" at 34.798,49.403 h2
  text "G" at 31.75,44.704 h2
  text "+12" at 34.671,38.481 h2
  text "+" at 44.323,34.671 h2
  text "+" at 50.419,34.671 h2
  text "G" at 60.071,34.036 h2
  text "5" at 52.197,33.909 h2
  text "R" at 54.864,33.909 h2
  text "T" at 57.404,33.909 h2
  text "G" at 31.877,33.655 h2
  text "G" at 44.323,32.131 h2
  text "G" at 50.419,32.004 h2
  text "12V" at 48.26,30.099 h2
  text "USART" at 58.674,30.099 h2
  text "ICD" at 69.723,30.099 h2
  text "USERIO" at 87.757,30.099 h2
  text "BOOT" at 100.584,30.099 h2
  text "VM(12-+)" at 42.926,29.972 h2
Top Solder:
  lines w3: 26.924,45.339 29.845,45.339 46.228,61.722 46.228,78.105 ; 27.178,50.419 27.178,62.23 28.321,61.087 ; 28.702,61.087 37.719,61.087 ; 33.02,116.967 33.02,78.105 46.228,78.105 ; 71.247,78.359 71.247,117.094 ; 109.093,116.967 109.093,78.105 46.228,78.105
  text "未来道具研究所" at 62.506,123.773 h3.81 r180
  text "直流有刷电机调速器" at 77.851,25.781 h3.81
Bottom Solder:
  lines w1: 26.416,86.487 29.845,86.487 32.004,84.328 40.005,84.328 ; 26.797,91.567 29.845,91.567 32.258,93.98 42.291,93.98 ; 27.051,112.395 31.496,112.395 33.274,114.173 41.783,114.173 ; 29.21,107.315 31.877,104.648 42.164,104.648 ; 102.362,84.455 109.347,84.455 111.125,86.233 115.443,86.233 ; 102.743,93.853 109.347,93.853 111.252,91.948 114.935,91.948 ; 102.743,114.173 109.22,114.173 110.998,112.395 115.57,112.395 ; 102.87,104.775 106.299,104.775 109.22,104.775 111.76,107.315 115.57,107.315
  text "BY:ZhangDong" at 34.036,122.809 h4 r180
  text "El Psy Congroo" at 110.744,26.67 h4